# Altium PCB AnalogIO-CAN-HW-Rev1.PcbDoc (part 1 of 2) (continued)
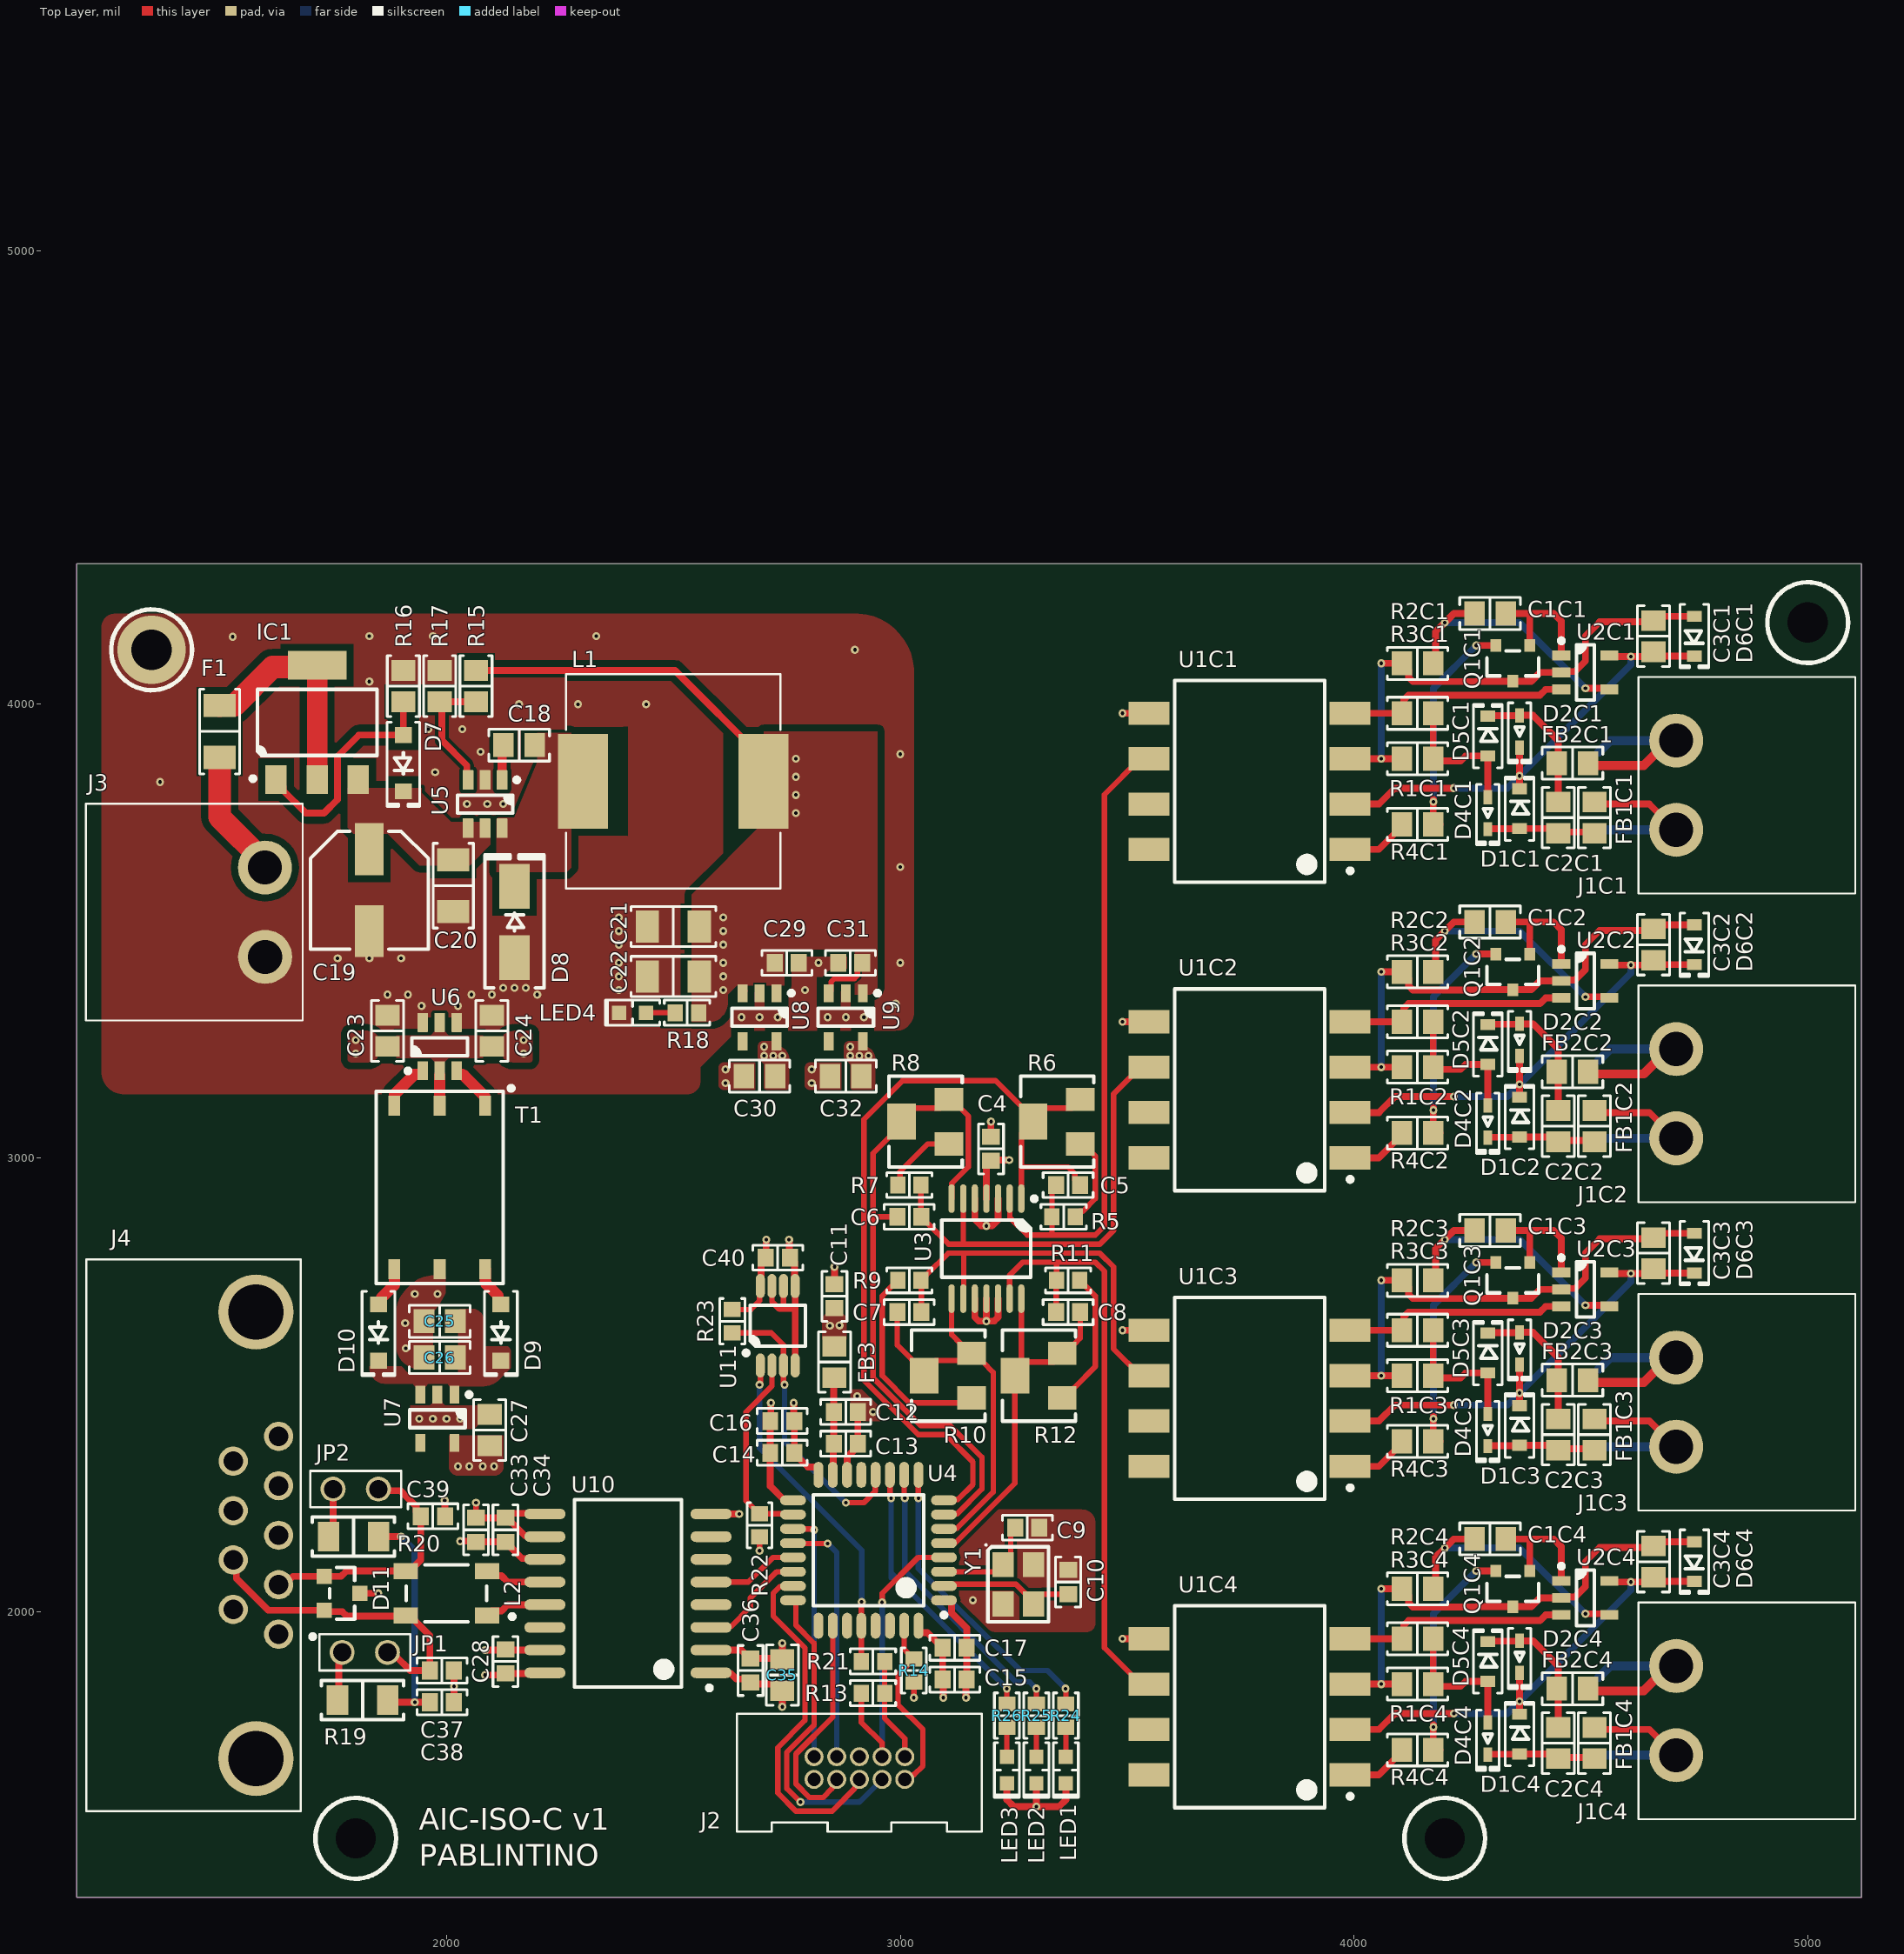
[diagram p0: Top Layer view]
## Footprints (in the part's own frame and the unit in brackets; to place one, negate y for a bottom-side part, rotate by r counter-clockwise, add the part's x,y. Pads: shape width x height; smd on the part's side, far side on the other; paste and mask are expansions set on the pad)
ABM8G [mm] "Crystal, 4-Leads, Body 2.50x3.20mm, Pitch 2.20mm, IPC Medium Density"
  rect 1.4x1.2 smd: 1(-1.1,-0.85) 2(1.1,-0.85) 3(1.1,0.85) 4(-1.1,0.85)
  silkscreen extent -2.25,-1.85 2.1,1.7, body extent -1.61,-1.26 1.61,1.26, height 0.6
"BOURNS SOT-23-3" [mm] "SOT23, 3-Leads, Body 2.90x2.40mm, Pitch 0.95mm, IPC Medium Density"
  rect 0.85x0.85 smd: 1(-1,0.95) 2(-1,-0.95) 3(1,0)
  silkscreen extent -0.7,-1.45 0.7,1.45, body extent -1.16,-1.45 1.16,1.45, height 1.5
"CAP 0603_1608" [mm] "Chip Capacitor, 2-Leads, Body 1.60x0.80mm, IPC Medium Density"
  rect 0.9x1 smd: 1(-0.675,0) 2(0.675,0)
  silkscreen extent -1.4,-0.7 1.4,0.7, body extent -0.8,-0.41 0.8,0.41, height 0.82
"CAP 0805_2012" [mm] "Chip Capacitor, 2-Leads, Body 2.00x1.20mm, IPC Medium Density"
  rect 1.15x1.35 smd: 1(-0.875,0) 2(0.875,0)
  silkscreen extent -1.7,-0.9 1.7,0.9, body extent -1,-0.64 1,0.64, height 1.26
"CAP 1206_3216 - 1.8MM" [mm] "Chip Capacitor, 2-Leads, Body 3.25x1.60mm, IPC Medium Density"
  rect 1.3x1.8 smd: 1(-1.45,0) 2(1.45,0)
  silkscreen extent -2.37,-1.12 2.37,1.12, body extent -1.6,-0.8 1.6,0.8, height 1.8
"CAP ALSMD 6.3MM H7.7MM" [mm] "Aluminum Electrolytic Capacitor"
  rect 2.9x1.6 smd: 1(-2.3,0) 2(2.3,0)
  silkscreen extent -3.3,-3.3 3.3,3.3, body extent -3.65,-3.3 3.65,3.3, height 7.81
"DIODES SOT-223" [mm] "SOT223, 4-Leads, Body 6.50x7.00mm (avg), Pitch 2.30mm, IPC Medium Density"
  rect 1.6x1.2 smd: 1(-3.2,2.3) 2(-3.2,0) 3(-3.2,-2.3)
  rect 1.6x3.3 smd: 4(3.2,0)
  silkscreen extent -3.27,-3.35 1.85,3.72, body extent -3.52,-3.25 3.5,3.25, height 1.8
"DO214AA SMB" [mm] "Molded Diode, 2-Leads, Body 4.31x3.62mm, IPC Medium Density"
  rect 2.45x2.15 smd: 1(-2.15,0) 2(2.15,0)
  silkscreen extent -3.6,-1.8 3.8,1.8, body extent -2.6,-1.8 2.6,1.8, height 2.4
"DO214AC SMA" [mm] "Molded Diode, 2-Leads, Body 4.30x2.60mm, IPC Medium Density"
  rect 2.5x1.7 smd: 1(-2,0) 2(2,0)
  silkscreen extent -3.68,-1.65 3.75,1.65, body extent -2.6,-1.37 2.6,1.37, height 2.4
DSUB9 [mm] "Harting DSUB9 Right Angle"
  round 1.635 hole 1.09: 1(5.54,1.27) 2(2.77,1.27) 3(0,1.27) 4(-2.77,1.27) 5(-5.54,1.27) 6(4.15,-1.27) 7(1.38,-1.27) 8(-1.38,-1.27) 9(-4.15,-1.27)
  round 4.2 hole 3.1: S1(-12.5,0) S2(12.5,0)
  silkscreen extent -15.45,-9.5 15.45,3.27, body extent -15.45,-15.7 15.45,2.5, height 12.6
"FER 0805_2012" [mm] "Chip Ferrite, 2-Leads, Body 2.00x1.20mm, IPC Medium Density"
  rect 1.15x1.35 smd: 1(-0.875,0) 2(0.875,0)
  silkscreen extent -1.7,-0.9 1.7,0.9, body extent -1,-0.64 1,0.64, height 1.26
HCNR200 [mm] "SOP, 8-Leads, Body 11,15x8,95mm, Pitch 2,54mm, IPC Medium Density"
  rect 2.29x1.3 smd: 1(-5.625,3.81) 2(-5.625,1.27) 3(-5.625,-1.27) 4(-5.625,-3.81) 5(5.625,-3.81) 6(5.625,-1.27) 7(5.625,1.27) 8(5.625,3.81)
  silkscreen extent -5.75,-5.65 4.2,5.65, body extent -6.15,-5.65 6.15,5.65, height 4
JUMPER-100 [mil] "Jumper Header 100 mil"
  round 55 hole 40: 1(-50,0) 2(50,0)
  silkscreen extent -100,-40 100,40, body extent -100,-50 100,50, height 344
"LED 0603_1608 GREEN" [mm] "Chip Diode, 2-Leads, Body 1.60x0.80mm, IPC Medium Density"
  rect 0.8x0.8 smd: 1(-0.75,0) 2(0.75,0)
  silkscreen extent -1.52,-0.7 1.52,0.7, body extent -0.8,-0.4 0.8,0.4, height 0.53
"LED 0603_1608 RED" [mm] "Chip Diode, 2-Leads, Body 1.60x0.80mm, IPC Medium Density"
  rect 0.8x0.8 smd: 1(-0.75,0) 2(0.75,0)
  silkscreen extent -1.52,-0.7 1.52,0.7, body extent -0.8,-0.4 0.8,0.4, height 0.53
LQFP32ST [mm] "TQFP, 32-Leads, Body 7,00x7,00mm, Pitch 0,80mm, IPC Medium Density"
  oval 1.45x0.55 smd: 1(-4.225,2.8) 2(-4.225,2) 3(-4.225,1.2) 4(-4.225,0.4) 5(-4.225,-0.4) 6(-4.225,-1.2) 7(-4.225,-2) 8(-4.225,-2.8) 17(4.225,-2.8) 18(4.225,-2) 19(4.225,-1.2) 20(4.225,-0.4) 21(4.225,0.4) 22(4.225,1.2) 23(4.225,2) 24(4.225,2.8)
  oval 0.55x1.45 smd: 9(-2.8,-4.225) 10(-2,-4.225) 11(-1.2,-4.225) 12(-0.4,-4.225) 13(0.4,-4.225) 14(1.2,-4.225) 15(2,-4.225) 16(2.8,-4.225) 25(2.8,4.225) 26(2,4.225) 27(1.2,4.225) 28(0.4,4.225) 29(-0.4,4.225) 30(-1.2,4.225) 31(-2,4.225) 32(-2.8,4.225)
  silkscreen extent -4.35,-3.1 3.1,3.75, body extent -4.57,-4.57 4.57,4.57, height 1.62
MSTBA2 [mil] "Phoenix Contact MSTBA Base strip 2 Contacts"
  round 119 hole 75: 1(0,0) 2(-0.24,196.82)
  silkscreen extent -395,-140 83,338, body extent -392,-137 80,335, height 340
"NEXPERIA SOT-23-3" [mm] "SOT23, 3-Leads, Body 2.90x2.40mm, Pitch 0.95mm, IPC Medium Density"
  rect 0.7x0.6 smd: 1(-1,0.95) 2(-1,-0.95) 3(1,0)
  silkscreen extent -0.7,-1.45 0.7,1.45, body extent -1.16,-1.45 1.16,1.45, height 1.5
"POT BOURNS TRIMPOT 3224W" [mm] "Bourns Trimpot 3224W"
  rect 1.3x1.6 smd: 1(-1.25,-1.45) 3(1.25,-1.45)
  rect 2x1.6 smd: 2(0,1.2)
  silkscreen extent -2.55,-2.2 2.55,1.9, body extent -2.41,-2.13 2.42,1.83, height 5.29
PPTC_1206_1MM [mm] "PPTC,  2-Leads, Body 3.25x1.60mm, IPC Medium Density"
  rect 1.3x1.8 smd: 1(-1.45,0) 2(1.45,0)
  silkscreen extent -2.37,-1.12 2.37,1.12, body extent -1.6,-0.83 1.6,0.83, height 0.56
"RES 0603_1608" [mm] "Chip Resistor, 2-Leads, Body 1.60x0.80mm, IPC Medium Density"
  rect 0.85x0.95 smd: 1(-0.65,0) 2(0.65,0)
  silkscreen extent -1.27,-0.7 1.27,0.7, body extent -0.8,-0.4 0.8,0.4, height 0.45
"RES 0805_2012" [mm] "Chip Resistor, 2-Leads, Body 2.00x1.25mm, IPC Medium Density"
  rect 1.15x1.35 smd: 1(-0.875,0) 2(0.875,0)
  silkscreen extent -1.7,-0.9 1.7,0.9, body extent -0.95,-0.62 1.05,0.63, height 0.6
"RES 1206_3216" [mm] "Chip Resistor, 2-Leads, Body 3.13x1.55mm, IPC Medium Density"
  rect 1.2x1.65 smd: 1(-1.4,0) 2(1.4,0)
  silkscreen extent -2.3,-1.1 2.3,1.1, body extent -1.57,-0.8 1.62,0.8, height 0.6
SHF-105-01-X-D-TH [mil]
  round 42 hole 29: 1(-100,-25) 2(-100,25) 3(-50,-25) 4(-50,25) 5(0,-25) 6(0,25) 7(50,-25) 8(50,25) 9(100,-25) 10(100,25)
  silkscreen extent -270,-120 270,140, body extent -249,-99 251,121, height 210
SOD323 [mm] "SOD, 2-Leads, Body 1.25x2.50mm, IPC Medium Density"
  rect 0.625x0.83 smd: 1(-1.112,0) 2(1.112,0)
  silkscreen extent -1.78,-0.8 1.78,0.8, body extent -1.36,-0.62 1.36,0.62, height 1.05
SOD523F [mm] "SODFL, 2-Leads, Body 0.80x1.60mm, IPC Medium Density"
  rect 0.8x0.5 smd: 1(-0.9,0) 2(0.9,0)
  silkscreen extent -1.6,-0.64 1.8,0.64, body extent -0.8,-0.4 0.8,0.4, height 0.65
SOD-123 [mm] "SOD, 2-Leads, Body 1.55x3.70mm, IPC Medium Density"
  rect 0.9x0.95 smd: 1(-1.575,0) 2(1.575,0)
  silkscreen extent -2.3,-0.92 2.41,0.92, body extent -1.86,-0.78 1.86,0.77, height 1.35
SRR1210 [mm]
  rect 5.3x2.8 smd: 1(0,5.05) 2(0,-5.05)
  silkscreen extent -6,-6 6,6, body extent -6,-6 6,6, height 10
TDK_ACT45B [mm]
  rect 1.35x0.9 smd paste+0 mask+0: 1(-2.275,1.25) 2(-2.275,-1.25) 3(2.275,-1.25) 4(2.275,1.25)
  silkscreen extent -3.8,-1.6 2.25,1.6, body extent -3.05,-1.8 3.05,1.8, height 0.25
"TI SOT-23-5 DBV" [mm] "SOT23, 5-Leads, Body 2.90x2.80mm, Pitch 0.95mm, IPC Medium Density"
  rect 1x0.55 smd: 1(-1.35,0.95) 2(-1.35,0) 3(-1.35,-0.95) 4(1.35,-0.95) 5(1.35,0.95)
  silkscreen extent -1.47,-1.55 0.5,1.9, body extent -1.44,-1.43 1.39,1.48, height 1.5
"TI SOT-23-6 DBV" [mm] "SOT23, 6-Leads, Body 2.90x2.80mm, Pitch 0.95mm, IPC Medium Density"
  rrect10% 1.05x0.6 smd: 1(-1.35,0.95) 2(-1.35,0) 3(-1.35,-0.95) 4(1.35,-0.95) 5(1.35,0) 6(1.35,0.95)
  silkscreen extent -1.47,-1.55 0.5,1.9, body extent -1.5,-1.5 1.5,1.5, height 1.45
"TI SOT-23-6 DDC" [mm] "SOT23, 6-Leads, Body 2.90x2.80mm, Pitch 0.95mm, IPC Medium Density"
  rrect10% 1.1x0.6 smd: 1(-1.35,0.95) 2(-1.35,0) 3(-1.35,-0.95) 4(1.35,-0.95) 5(1.35,0) 6(1.35,0.95)
  silkscreen extent -1.47,-1.55 0.5,1.9, body extent -1.5,-1.5 1.5,1.5, height 1.45
"TI TSSOP-14 PW" [mm] "TSSOP, 14-Leads, Body 5.00x4.40mm, Pitch 0.65mm, IPC Medium Density"
  oval 1.6x0.35 smd: 1(-2.8,1.95) 2(-2.8,1.3) 3(-2.8,0.65) 4(-2.8,0) 5(-2.8,-0.65) 6(-2.8,-1.3) 7(-2.8,-1.95) 8(2.8,-1.95) 9(2.8,-1.3) 10(2.8,-0.65) 11(2.8,0) 12(2.8,0.65) 13(2.8,1.3) 14(2.8,1.95)
  silkscreen extent -2.92,-2.5 1.6,2.8, body extent -3.21,-2.5 3.21,2.5, height 1.2
"TI VSSOP-8 DGK" [mm] "TSOP, 8-Leads, Body 3.00x3.00mm, Pitch 0.65mm, IPC Medium Density"
  oval 1.35x0.5 smd: 1(-2.225,0.975) 2(-2.225,0.325) 3(-2.225,-0.325) 4(-2.225,-0.975) 5(2.225,-0.975) 6(2.225,-0.325) 7(2.225,0.325) 8(2.225,0.975)
  silkscreen extent -1.65,-1.55 1.15,1.9, body extent -2.45,-1.5 2.45,1.5, height 1.1
TI-DW16_N [mm] "SOIC, 16-Leads, Body 10.3x7.5mm, Pitch 1.27mm, IPC Medium Density"
  oval 2.3x0.6 smd: 1(-4.65,4.445) 2(-4.65,3.175) 3(-4.65,1.905) 4(-4.65,0.635) 5(-4.65,-0.635) 6(-4.65,-1.905) 7(-4.65,-3.175) 8(-4.65,-4.445) 9(4.65,-4.445) 10(4.65,-3.175) 11(4.65,-1.905) 12(4.65,-0.635) 13(4.65,0.635) 14(4.65,1.905) 15(4.65,3.175) 16(4.65,4.445)
  silkscreen extent -4.68,-5.25 3,5.42, body extent -5.08,-5.04 5.08,5.04, height 2
WE7603900XX [mil]
  rect 44x26 smd paste+0 mask+0: 1(-180,100) 2(-180,0) 3(-180,-100) 4(180,-100) 5(180,0) 6(180,100)
  silkscreen extent -223,-140 212,162, body extent -197,-128 195,128, height 160

## Part data
C1C1 C1C2 C1C3 C1C4: library part C0805C102J2GECAUTO, "MLCC Ceramic 1 nF 200 V 5% Capacitor", Manufacturer=KEMET, Package="0805 (2012 Metric)", Tolerance=5%, Voltage="200 V", Composition=NP0, Created On="30/05/2020 9:42:16", Part Number=C0805C102J2GECAUTO, Through Hole=0, Type=capacitor_ceramic, Updated On="30/05/2020 9:42:22"
C2C1 C2C2 C2C3 C2C4: library part C0805C103K5GEC7210, "MLCC Ceramic 10 nF 50 V 10% Capacitor", Manufacturer=KEMET, Package="0805 (2012 Metric)", Tolerance=10%, Voltage="50 V", Composition=NP0, Created On="28/05/2020 20:55:06", Part Number=C0805C103K5GEC7210, Through Hole=0, Type=capacitor_ceramic, Updated On="28/05/2020 20:58:59"
C3C1 C3C2 C3C3 C3C4 C18: library part 08055C104K4Z2A, "MLCC Ceramic 100 nF 50 V 10% Capacitor", Manufacturer=AVX, Package="0805 (2012 Metric)", Tolerance=10%, Voltage="50 V", Composition=X7R, Created On="30/05/2020 9:36:24", Part Number=08055C104K4Z2A, Through Hole=0, Type=capacitor_ceramic, Updated On="30/05/2020 9:36:39"
C4 C11 C13 C15 C16 C17 C28 C29 C31 C34: library part 0603YC104KAT2A, "MLCC Ceramic 100 nF 16 V 10% Capacitor", Manufacturer=AVX, Package="0603 (1608 Metric)", Tolerance=10%, Voltage="16 V", Composition=X7R, Created On="22/07/2020 19:09:12", Part Number=0603YC104KAT2A, Through Hole=0, Type=capacitor_ceramic, Updated On="22/07/2020 19:10:15"
C5 C6 C7 C8: library part 0603ZA102JAT4A, "MLCC Ceramic 1 nF 10 V 5% Capacitor", Manufacturer=AVX, Package="0603 (1608 Metric)", Tolerance=5%, Voltage="10 V", Composition=NP0, Created On="04/08/2020 17:52:12", Part Number=0603ZA102JAT4A, Through Hole=0, Type=capacitor_ceramic, Updated On="04/08/2020 17:52:29"
C9 C10: library part 06035A6R8C4T4A, "MLCC Ceramic 6.8 pF 50 V 0.25 pF Capacitor", Manufacturer=AVX, Package="0603 (1608 Metric)", Tolerance="0.25 pF", Voltage="50 V", Composition=NP0, Created On="26/07/2020 23:31:19", Part Number=06035A6R8C4T4A, Through Hole=0, Type=capacitor_ceramic, Updated On="26/07/2020 23:32:14"
C12: library part 0603YC105KAT2A, "MLCC Ceramic 1 uF 16 V 10% Capacitor", Manufacturer=AVX, Package="0603 (1608 Metric)", Tolerance=10%, Voltage="16 V", Composition=X7R, Created On="26/07/2020 17:38:43", Part Number=0603YC105KAT2A, Through Hole=0, Type=capacitor_ceramic, Updated On="26/07/2020 17:39:03"
C14: library part GRM188Z71A475ME15D, "MLCC Ceramic 4.7 uF 10 V 20% Capacitor", Manufacturer=Murata, Package="0603 (1608 Metric)", Tolerance=20%, Voltage="10 V", Composition=X7R, Created On="26/07/2020 16:11:28", Part Number=GRM188Z71A475ME15D, Through Hole=0, Type=capacitor_ceramic, Updated On="26/07/2020 16:12:07"
C19: library part HHXA630ARA220MF80G, "Aluminum Electrolytic 22 uF 63 V 20% Capacitor", Lifetime Temperature="4000 Hours @ 125 ºC", Manufacturer="United Chemi-Con", Maximum Temperature="-55 ºC", Minimum Temperature="125 ºC", Package=SMD, Tolerance=20%, Voltage="63 V", Created On="03/08/2020 11:19:58", ESR="80 mOhms", Material=aluminium, Part Number=HHXA630ARA220MF80G, Polarised=1, Through Hole=0, Type=capacitor_electrolytic, Updated On="03/08/2020 14:04:34"
C20: library part 12065C225K4T2A, "MLCC Ceramic 2.2 uF 50 V 10% Capacitor", Manufacturer=AVX, Package="1206 (3216 Metric)", Tolerance=10%, Voltage="50 V", Composition=X7R, Created On="18/08/2020 12:44:20", Part Number=12065C225K4T2A, Through Hole=0, Type=capacitor_ceramic, Updated On="18/08/2020 12:44:32"
C21 C22: library part 1206YC106KAT2A, "MLCC Ceramic 10 uF 16 V 10% Capacitor", Manufacturer=AVX, Package="1206 (3216 Metric)", Tolerance=10%, Voltage="16 V", Composition=X7R, Created On="18/08/2020 12:31:56", Part Number=1206YC106KAT2A, Through Hole=0, Type=capacitor_ceramic, Updated On="18/08/2020 12:32:34"
C23 C25 C27 C35: library part 0805YC106MAT2A, "MLCC Ceramic 10 uF 25 V 20% Capacitor", Manufacturer=AVX, Package="0805 (2012 Metric)", Tolerance=20%, Voltage="16 V", Composition=X7R, Created On="22/06/2020 21:37:18", Part Number=0805YC106MAT2A, Through Hole=0, Type=capacitor_ceramic, Updated On="22/06/2020 21:37:31"
C24 C26: library part 0805YC104KAT4A, "MLCC Ceramic 100 nF 16 v 10% Capacitor", Manufacturer=AVX, Package="0805 (2012 Metric)", Tolerance=10%, Voltage="16 V", Composition=X7R, Created On="21/05/2020 21:26:42", Part Number=0805YC104KAT4A, Through Hole=0, Type=capacitor_ceramic, Updated On="21/05/2020 21:29:08"
C30 C32: library part 0805YC105KAT4A, "MLCC Ceramic 1 uF 16 V 10% Capacitor", Manufacturer=AVX, Package="0805 (2012 Metric)", Tolerance=10%, Voltage="16 V", Composition=X7R, Created On="18/07/2020 20:46:26", Part Number=0805YC105KAT4A, Through Hole=0, Type=capacitor_ceramic, Updated On="18/07/2020 20:46:47"
C33: library part 06033C105KAT4A, "MLCC Ceramic 1 uF 25 V 10% Capacitor", Manufacturer=AVX, Package="0603 (1608 Metric)", Tolerance=10%, Voltage="25 V", Composition=X7R, Created On="22/06/2020 21:33:54", Part Number=06033C105KAT4A, Through Hole=0, Type=capacitor_ceramic, Updated On="22/06/2020 21:34:12"
C36: library part 06035C104K4Z2A, "MLCC Ceramic 100 nF 50 V 10% Capacitor", Manufacturer=AVX, Package="0603 (1608 Metric)", Tolerance=10%, Voltage="50 V", Composition=X7R, Created On="22/06/2020 21:28:51", Part Number=06035C104K4Z2A, Through Hole=0, Type=capacitor_ceramic, Updated On="22/06/2020 21:29:02"
C37 C39: library part 06031A680FAT2A, "MLCC Ceramic 68 pF 100 V 1% Capacitor", Manufacturer=AVX, Package="0603 (1608 Metric)", Tolerance=1%, Voltage="100 V", Composition=NP0, Created On="04/08/2020 0:35:07", Part Number=06031A680FAT2A, Through Hole=0, Type=capacitor_ceramic, Updated On="04/08/2020 0:35:13"
C38: library part 06031U470FAT2A, "MLCC Ceramic 47 pF 100 V 1% Capacitor", Manufacturer=AVX, Package="0603 (1608 Metric)", Tolerance=1%, Voltage="100 V", Composition=NP0, Created On="04/08/2020 0:33:07", Part Number=06031U470FAT2A, Through Hole=0, Type=capacitor_ceramic, Updated On="04/08/2020 0:33:40"
C40: library part 0603YC103JAT2A, "MLCC Ceramic 10 nF 16 V 5% Capacitor", Manufacturer=AVX, Package="0603 (1608 Metric)", Tolerance=5%, Voltage="16 V", Composition=X7R, Created On="02/09/2020 21:50:45", Part Number=0603YC103JAT2A, Through Hole=0, Type=capacitor_ceramic, Updated On="02/09/2020 21:52:04"
D1C1 D1C2 D1C3 D1C4 D5C1 D5C2 D5C3 D5C4: "Schottky Diode", Forward Voltage="0.45 V", Manufacturer=STMicroelectronics, Maximum Forward Avg. Current="150 mA", Maximum Repetitive Reverse Voltage="100 V", Package=SOD-323, Reverse Leakage Current="5 uA", Created On="16/05/2020 11:52:41", Diode Type=schottky, Part Number=BAT46JFILM, Through Hole=0, Type=diode_rectifier, Updated On="16/05/2020 14:59:23"
D2C1 D2C2 D2C3 D2C4 D4C1 D4C2 D4C3 D4C4: "General Purpose Diode", Forward Voltage="1 V", Manufacturer="Comchip Technology", Maximum Forward Avg. Current="100 mA", Maximum Repetitive Reverse Voltage="90 V", Package=SOD-523F, Reverse Leakage Current="50 nA", Created On="16/05/2020 11:56:11", Diode Type=rectifier, Part Number=CDSU101A-HF, Through Hole=0, Type=diode_rectifier, Updated On="16/05/2020 15:37:54"
D3C1 D3C2 D3C3 D3C4: "TVS Diode", Manufacturer=STMicroelectronics, Maximum Clamping Voltage="53.9 V", Minimum Breakdown Voltage="39 V", Package=DO-214AA-2, Standoff Reverse Voltage="33.3 V", Created On="16/05/2020 11:52:32", Part Number=SM6T39CAY, Through Hole=0, Type=diode_tvs, Updated On="16/05/2020 15:46:11"
D6C1 D6C2 D6C3 D6C4: "Zener Diode 3.3 V 200 mW", Forward Voltage="0.6 V", Manufacturer=Vishay, Maximum Power="200 mW", Package=SOD-323-2, Tolerance=5%, Zener Voltage="3.3 nA", Created On="16/05/2020 22:26:20", Part Number=BZX384C3V3-E3-08, Through Hole=0, Type=diode_zener, Updated On="16/05/2020 22:36:30"
D7: "Zener 200 mW 10 V", Forward Voltage="0.9 V", Manufacturer="Diodes Incorporated", Maximum Power="200 mW", Package=SOD-323-2, Zener Voltage="10 V", Created On="19/07/2020 12:49:44", Part Number=MMSZ5240BS-7-F, Through Hole=0, Type=diode_zener, Updated On="19/07/2020 13:00:21"
D8: "Schottky Rectifier Diode", Forward Voltage="0.510 V", Manufacturer="ON Semiconductor", Maximum Forward Avg. Current="1 A", Maximum Repetitive Reverse Voltage="60 V", Package="SMA 403D", Reverse Leakage Current="0.2 mA", Created On="02/08/2020 21:52:05", Diode Type=schottky, Part Number=MBRA160, Through Hole=0, Type=diode_rectifier, Updated On="02/08/2020 21:57:57"
D9 D10: "Schottky Rectifier Diode", Forward Voltage="0.385 V", Manufacturer="ON Semiconductor", Maximum Forward Avg. Current="500 mA", Maximum Repetitive Reverse Voltage="20 V", Package=SOD-123, Reverse Leakage Current="8 mA", Created On="02/08/2020 21:34:39", Diode Type=schottky, Part Number=MBR0520L, Through Hole=0, Type=diode_rectifier, Updated On="02/08/2020 21:35:15"
D11: "CAN bus TVS diode", Manufacturer=Bourns, Maximum Clamping Voltage="26 V", Minimum Breakdown Voltage="12 V", Package=SOT-23, Standoff Reverse Voltage="13.3 V", Created On="22/06/2020 21:57:13", Part Number=CDSOT23-SM712, Through Hole=0, Type=diode_tvs, Updated On="22/06/2020 21:57:43"
F1: "PPTC .12A 48V Nano SMD AEC-Q200", Current Rating="10 A", Hold Current="120 mA", Manufacturer=Littelfuse, Maximum Resistance="1.5 Ohms", Minimum Resistance="6.5 Ohms", Package="1206 (3216 Metric)", Power Rating="500 mW", Trip Current="390 mA", Voltage Rating="48 V", Created On="07/08/2020 10:13:16", Part Number=NANOASMDC012F-2, Through Hole=0, Type=fuse_pptc, Updated On="18/08/2020 22:26:58"
FB1C1 FB1C2 FB1C3 FB1C4 FB2C1 FB2C2 FB2C3 FB2C4 FB3: library part BLM21SP601SH1D, "Ferrite bead", Current Rating="1.5 A", DC Resistance="60 mOhms", Impedance Frequency="600 Ohms @ 100 MHz", Manufacturer="Murata Electronics", Package="0805 (2012 Metric)", Created On="16/05/2020 11:32:40", Number of Lines=1, Part Number=BLM21SP601SH1D, Through Hole=0, Type=ferrite_bead, Updated On="16/05/2020 17:15:58"
IC1: "MOSFET 100V P-Chnl UMOS", Drain Source Max Current="3.7 A", Drain Source Max Voltage="100 V", Drain Source Resistance="150 mOhms", Gate Source Max Voltage="20 V", Gate Source Threshold Voltage="2 V", Manufacturer="Diodes Incorporated", Maximum Power="3.9 W", Package=SOT-223-4, Channel Type=P-Channel, Created On="19/07/2020 8:37:51", Part Number=ZXMP10A18GTA, Through Hole=0, Type=transistor_mosfet, Updated On="19/07/2020 11:20:23"
J1C1 J1C2 J1C3 J1C4 J3: "Pluggable Terminal Blocks 2 Pos 5mm pitch Through Hole Header", Current Rating="12 A", Manufacturer="Phoenix Contact", Package="Through Hole", Voltage Rating="250 V", Created On="18/07/2020 15:45:14", LatestRevisionDate=17-Jul-2002, LatestRevisionNote="Re-released for DXP Platform.", Number of Contacts=2, Number of Rows=1, Orientation=right, Part Number=1757475, Pitch="5 mm", Publisher="Altium Limited", Through Hole=1, Type=connector_pcb, Updated On="18/07/2020 15:45:51"
J2: "Shrouded Terminal Strip, 0.050 pitch", Current Rating="1 A", Manufacturer=Samtec, Package="Through Hole", Voltage Rating="300 V", Created On="31/05/2020 10:51:13", Number of Contacts=10, Number of Rows=2, Orientation=straight, Part Number=SHF-105-01-L-D-TH, Pitch="50 mil", Through Hole=1, Type=connector_pcb, Updated On="31/05/2020 10:51:32"
J4: "DSUB SV FE SSDP ANG-US 09P AU3", Current Rating="6 A", Manufacturer=Harting, Package="Through Hole", Created On="18/07/2020 11:53:48", Number of Contacts=9, Number of Rows=2, Orientation=right, Part Number=09681537613, Pitch="2.77 mm", Through Hole=1, Type=connector_pcb, Updated On="18/07/2020 11:54:47"
JP1 JP2: "Connector Header Through Hole 2 position 0.100 (2.54mm)", Current Rating="3 A", Manufacturer="Würth Elektronik", Package="Through Hole", Voltage Rating="250 V", Created On="19/07/2020 13:40:52", Number of Contacts=2, Number of Rows=1, Orientation=straight, Part Number=61300211121, Pitch="100 mil", Through Hole=1, Type=connector_pcb, Updated On="19/07/2020 13:41:17"
L1: library part SRR1210-680M, "Shielded SMD Power Inductor 68 uH 3 A", Current Rating="3 A", Current Saturation="2.7 A", Manufacturer=Bourns, Package=SRR1210, Resistance DCR="102 mOhms", Test Frequency="2.52 MHz", Tolerance=20%, Created On="02/08/2020 17:46:05", Part Number=SRR1210-680M, Through Hole=0, Type=power_inductor, Updated On="02/08/2020 21:10:00"
L2: library part ACT45B-510-2P-TL003, "CAN Bus Common Choke", Current Rating="200 mA", DC Resistance="1 Ohms", Impedance Frequency="2800 Ohms @ 10 MHz", Manufacturer=TDK, Package=ACT45B, Created On="23/06/2020 19:40:24", Number of Lines=2, Part Number=ACT45B-510-2P-TL003, Through Hole=0, Type=inductor_choke, Updated On="23/06/2020 20:05:36"
LED1 LED2: "SMD Low Current Green LED", Input Offset Voltage="0.8 mm x 1.2 mm", Manufacturer=Kingbright, Package="0603 (1608 Metric)", Voltage Supplies="2 mA", Amplifier Type=clear, Created On="28/07/2020 18:40:12", Gain Bandwith Product="2.65 V", Input Type=dome, Output Type=green, Part Number=APTD1608LZGCK, Slew Rate="515 nm", Through Hole=0, Type=led_indicator, Updated On="28/07/2020 18:43:35"
LED3 LED4: "SMD Low Current Red LED", Input Offset Voltage="0.8 mm x 1.2 mm", Manufacturer=Kingbright, Package="0603 (1608 Metric)", Voltage Supplies="2 mA", Amplifier Type=clear, Created On="28/07/2020 18:43:03", Gain Bandwith Product="1.8 V", Input Type=dome, Output Type=red, Part Number=APTD1608LSECK, Slew Rate="625 nm", Through Hole=0, Type=led_indicator, Updated On="28/07/2020 18:43:38"
Q1C1 Q1C2 Q1C3 Q1C4: "PNP BJT Switching transistor", Collector Emiter Saturation Voltage="250 mW", Collector Max. Current="200 mA", Manufacturer=Nexperia, Package=SOT-23, BJT Type=PNP, Collector Emiter Max. Votage="40 V", Created On="17/05/2020 17:12:55", hfe Gain=300, Maximum Power="250 mW", Part Number=MMBT3906,215, Through Hole=0, Type=transistor_bjt, Updated On="17/05/2020 18:19:58"
R1C1 R1C2 R1C3 R1C4: library part PAT0805E25R0BST1, "Thin Film Resistor 25 Ohms 0.1%", Manufacturer=Vishay, Package="0805 (2012 Metric)", Power Max="200 mW", Tolerance=0.1%, Created On="16/05/2020 11:40:45", Part Number=PAT0805E25R0BST1, Through Hole=0, Type=resistor, Updated On="16/05/2020 13:13:11"
R2C1 R2C2 R2C3 R2C4 R3C1 R3C2 R3C3 R3C4: library part CRCW080510K0FKEAC, "Thin Film Resistor 10 kOhms 1%", Manufacturer="Vishay / Dale", Package="0805 (2012 Metric)", Power Max="125 mW", Tolerance=1%, Created On="16/05/2020 11:50:43", Part Number=CRCW080510K0FKEAC, Through Hole=0, Type=resistor, Updated On="16/05/2020 13:13:15"
R4C1 R4C2 R4C3 R4C4: library part CRCW0805100RFKEAC, "Thin Film Resistor 100 Ohms 1%", Manufacturer="Vishay / Dale", Package="0805 (2012 Metric)", Power Max="125 mW", Tolerance=1%, Created On="16/05/2020 11:51:25", Part Number=CRCW0805100RFKEAC, Through Hole=0, Type=resistor, Updated On="16/05/2020 13:13:19"
R5 R7 R9 R11: library part CRCW060360K4FKEA, "Thin Film Resistor 60.4 kOhms 1%", Manufacturer="Vishay / Dale", Package="0603 (1608 Metric)", Power Max="100 mW", Tolerance=1%, Created On="17/09/2020 21:59:57", Part Number=CRCW060360K4FKEA, Through Hole=0, Type=resistor, Updated On="17/09/2020 22:00:30"
R6 R8 R10 R12: library part 3224W-1-103G, "Inline Multitourn 10 kOhms 10% potentiometer", Manufacturer=Bourns, Maximum Power="250 mW", Minimum Resistance="0 Ohms", Package=3224W, Tolerance=10%, Created On="04/08/2020 17:43:15", Maximum Resistance="10 kOhms", Number of Turns=12, Part Number=3224W-1-103G, Through Hole=0, Type=potentiometer, Updated On="04/08/2020 17:43:43"
R13 R14 R18 R24 R25: library part CRCW060310K0FKEAC, "Thin Film Resistor 10 kOhms 1%", Manufacturer="Vishay / Dale", Package="0603 (1608 Metric)", Power Max="100 mW", Tolerance=1%, Created On="22/07/2020 22:08:22", Part Number=CRCW060310K0FKEAC, Through Hole=0, Type=resistor, Updated On="22/07/2020 22:09:01"
R15: library part CRCW0805110KFKEAC, "Thin Film Resistor 110 kOhms 1%", Manufacturer="Vishay / Dale", Package="0805 (2012 Metric)", Power Max="125 mW", Tolerance=1%, Created On="18/08/2020 11:17:49", Part Number=CRCW0805110KFKEAC, Through Hole=0, Type=resistor, Updated On="18/08/2020 11:18:12"
R16: library part CRCW080528K0FKEA, "Thin Film Resistor 28 kOhms 1%", Manufacturer="Vishay / Dale", Package="0805 (2012 Metric)", Power Max="125 mW", Tolerance=1%, Created On="19/07/2020 13:06:42", Part Number=CRCW080528K0FKEA, Through Hole=0, Type=resistor, Updated On="19/07/2020 13:07:02"
R17: library part CRCW080520K0FKEAC, "Thin Film Resistor 20 kOhms 1%", Manufacturer="Vishay / Dale", Package="0805 (2012 Metric)", Power Max="125 mW", Tolerance=1%, Created On="18/08/2020 11:20:59", Part Number=CRCW080520K0FKEAC, Through Hole=0, Type=resistor, Updated On="18/08/2020 11:21:05"
R19 R20: library part CRCW120659R0FKEA, "Thin Film Resistor 59 Ohms 1%", Manufacturer="Vishay / Dale", Package="1206 (3216 Metric)", Power Max="250 mW", Tolerance=1%, Created On="04/08/2020 0:42:53", Part Number=CRCW120659R0FKEA, Through Hole=0, Type=resistor, Updated On="04/08/2020 0:43:02"
R21 R22 R23 R26: library part CRCW06034K70FKEAC, "Thin Film Resistor 4.7 kOhms 1%", Manufacturer="Vishay / Dale", Package="0603 (1608 Metric)", Power Max="100 mW", Tolerance=1%, Created On="28/07/2020 21:42:19", Part Number=CRCW06034K70FKEAC, Through Hole=0, Type=resistor, Updated On="28/07/2020 21:42:52"
T1: "MID-PPTI Push-Pull Transformer for TI SN650X", Manufacturer="Würth Elektronik", Maximum Operating Temperature="125 ªC", Minimum Operating Temperature="-40 ªC", Package=76039XXXX, Primary Inductance="475 uH", Primary Voltage Rating="5 V", Secondary Current Rating="0.35 A", Created On="18/08/2020 10:06:14", NPS Turns Ratio=1:1.3, Number of Windings=2, Part Number=760390014, Primary DCR="0.31 Ohms", Secondary DCR="0.37 Ohms", Secondary Voltage Rating="5 V", Through Hole=0, Type=transformer, Updated On="18/08/2020 10:09:43"
U1C1 U1C2 U1C3 U1C4: "HCNR200 High-Linearity Analog Optocoupler", Input FOrward Voltage="1.6 V", Isolation Voltage="1414 V", Manufacturer="Broadcom / Avago", Package="DIP-8 Gull Wing", Created On="17/05/2020 9:43:12", Forward Gain=0.5, Non Linearity=0.01%, Part Number=HCNR200-550E, Servo Gain=0.5, Through Hole=0, Transfer Gain=1.00, Type=optocoupler_linear, Updated On="17/05/2020 9:47:26"
U2C1 U2C2 U2C3 U2C4: "OPA388 Zero-Drift, Zero-Crossover, Low Offset, Precision Rail-to-Rail I/O Opamp", Input Offset Voltage="0.25 uV", Manufacturer="Texas Instruments", Output Current="±30 mA", Package=TSSOP-14, Voltage Supplies="±1.25 V to ±2.75 V", Amplifier Type=precision, Created On="19/08/2020 23:52:36", Gain Bandwith Product="10 MHz", Input Type=Rail-to-Rail, Output Type=Rail-to-Rail, Part Number=OPA388IDBVR, Slew Rate="5 V/us", Through Hole=0, Type=opamp, Updated On="19/08/2020 23:57:00"
U3: "OPA4388 Zero-Drift, Zero-Crossover, Low Offset, Precision Rail-to-Rail I/O Opamp", Input Offset Voltage="0.25 uV", Manufacturer="Texas Instruments", Output Current="±30 mA", Package=TSSOP-14, Voltage Supplies="±1.25 V to ±2.75 V", Amplifier Type=precision, Created On="19/08/2020 23:51:30", Gain Bandwith Product="10 MHz", Input Type=Rail-to-Rail, Output Type=Rail-to-Rail, Part Number=OPA4388IPWR, Slew Rate="5 V/us", Through Hole=0, Type=opamp, Updated On="19/08/2020 23:56:10"
U4: "STM32G431 ARM Cortex-M4  170MHz MCU", Manufacturer=STMicroelectronics, Package=LQFP32, Voltage Supply="3.3 V", Connectivity="SPI, I2C, USART, USB, CAN, I2S", Core="ARM Cortex-M4", Core Size="32 bits", Created On="22/05/2020 19:49:45", Flash Size="128 kB", Part Number=STM32G431KBT6, Peripherals="ADC, DAC, Comparator, PGA, Temp, Timers", RAM Size="32 kB", Speed="170 MHz", Through Hole=0, Type=microcontroller, Updated On="22/05/2020 19:55:34"
U5: "4-V to 40-V, 1-A Step-Down Converter With High Efficiency Eco-mode", Manufacturer="Texas Instruments", Maximum Output Voltage="40 V", Minimum Input Voltage="4 V", Output Current="1 A", Package=SOT-23-6, Switching Frequency="700 kHz", Created On="02/08/2020 17:31:43", Number of Outputs=1, Output Type=TBD, Part Number=LMR14010A, Through Hole=0, Topology=buck, Type=voltage_regulator_dcdc, Updated On="02/08/2020 21:12:40"
U6: "Low-Noise 1-A Transformer Drivers for Isolated Power Supplies", Manufacturer="Texas Instruments", Maximum Output Voltage="5.5 V", Minimum Input Voltage="3 V", Output Current="1 A", Package=SOT-23-6, Switching Frequency="420 kHz", Created On="02/08/2020 17:34:18", Number of Outputs=1, Output Type=TBD, Part Number=SN6505B, Through Hole=0, Topology=push-pull, Type=voltage_regulator_dcdc, Updated On="02/08/2020 21:12:17"
U7: "Low-Power, 150-mA, Low-Dropout Linear Regulator", Manufacturer="Texas Instruments", Maximum Dropout Voltage="225 mV", Maximum Output Voltage="5 V", Maximum Supply Current="100 uA", Output Current="150 mA", Package=SOT-23-5, Created On="02/08/2020 22:14:03", Minimum/Fixed Output Voltage="5 V", Output Type=fixed, Part Number=TPS76350DBVR, PSSR="60 dB @ 1 kHz", Through Hole=0, Type=voltage_regulator_linear, Updated On="02/08/2020 22:19:56"
U8 U9: "TLV702 300-mA, Low-IQ, Low-Dropout Regulator", Manufacturer="Texas Instruments", Maximum Dropout Voltage="375 mV", Maximum Output Voltage="3.3 V", Maximum Supply Current="35 uA", Output Current="300 mA", Package=SOT-23-5, Created On="21/07/2020 22:25:25", Minimum/Fixed Output Voltage="3.3 V", Output Type=fixed, Part Number=TLV70233DBVR, PSSR="68 dB @ 1 kHz", Through Hole=0, Type=voltage_regulator_linear, Updated On="21/07/2020 22:25:46"
U10: "Isolated CAN FD Transceiver", Manufacturer="Texas Instruments", Package=SOIC-16, Supply Voltage="5 V", Created On="22/06/2020 19:10:03", Data Rate=5Mbps, Duplex=Full-Duplex, Part Number=ISO1042DWR, Protocol=CAN, Through Hole=0, Type=transceiver, Updated On="22/06/2020 19:54:36"
U11: "TMP1075 Temperature Sensor With I2C and SMBus Interface", Manufacturer="Texas Instruments", Package=VSSOP-8, Supply Voltage="1.7 V to 5.5 V", Created On="04/08/2020 19:51:22", Input Magnitude=temperature, Output Type=I2C, Part Number=TMP1075DGKR, Proportional Gain="0.0625 C", Through Hole=0, Type=transducer, Updated On="04/08/2020 19:51:56"
Y1: library part ABM8W-24.0000MHZ-8-B1U-T3, "24MHz 8pF -20C +70C 20ppm Crystal Oscillator", Frquency Tolerance="10 ppm", Load Capacitance="8 pF", Manufacturer=ABRACON, Package="4-SMD, No Lead", Created On="24/05/2020 8:58:56", Frequency="24 MHz", Part Number=ABM8W-24.0000MHZ-8-B1U-T3, Through Hole=0, Type=crystal_oscillator, Updated On="26/05/2020 19:01:38"

## Free pads (board coordinates)
  round 60 hole 89 unplated: 3(1800,1500) 3(4200,1500) 3(5000,4180)

## Via types
v1: diameter 17.72, hole 7.87, Top Layer to Bottom Layer, 171 vias
v2: diameter 150, hole 89, Top Layer to Bottom Layer, 1 vias